# KiCad board master-circuit.kicad_pcb
title: Hex master motor control circuit; rev: version 0.1; company: Hex Robotics Limited; note: Author: Calin Mocanu
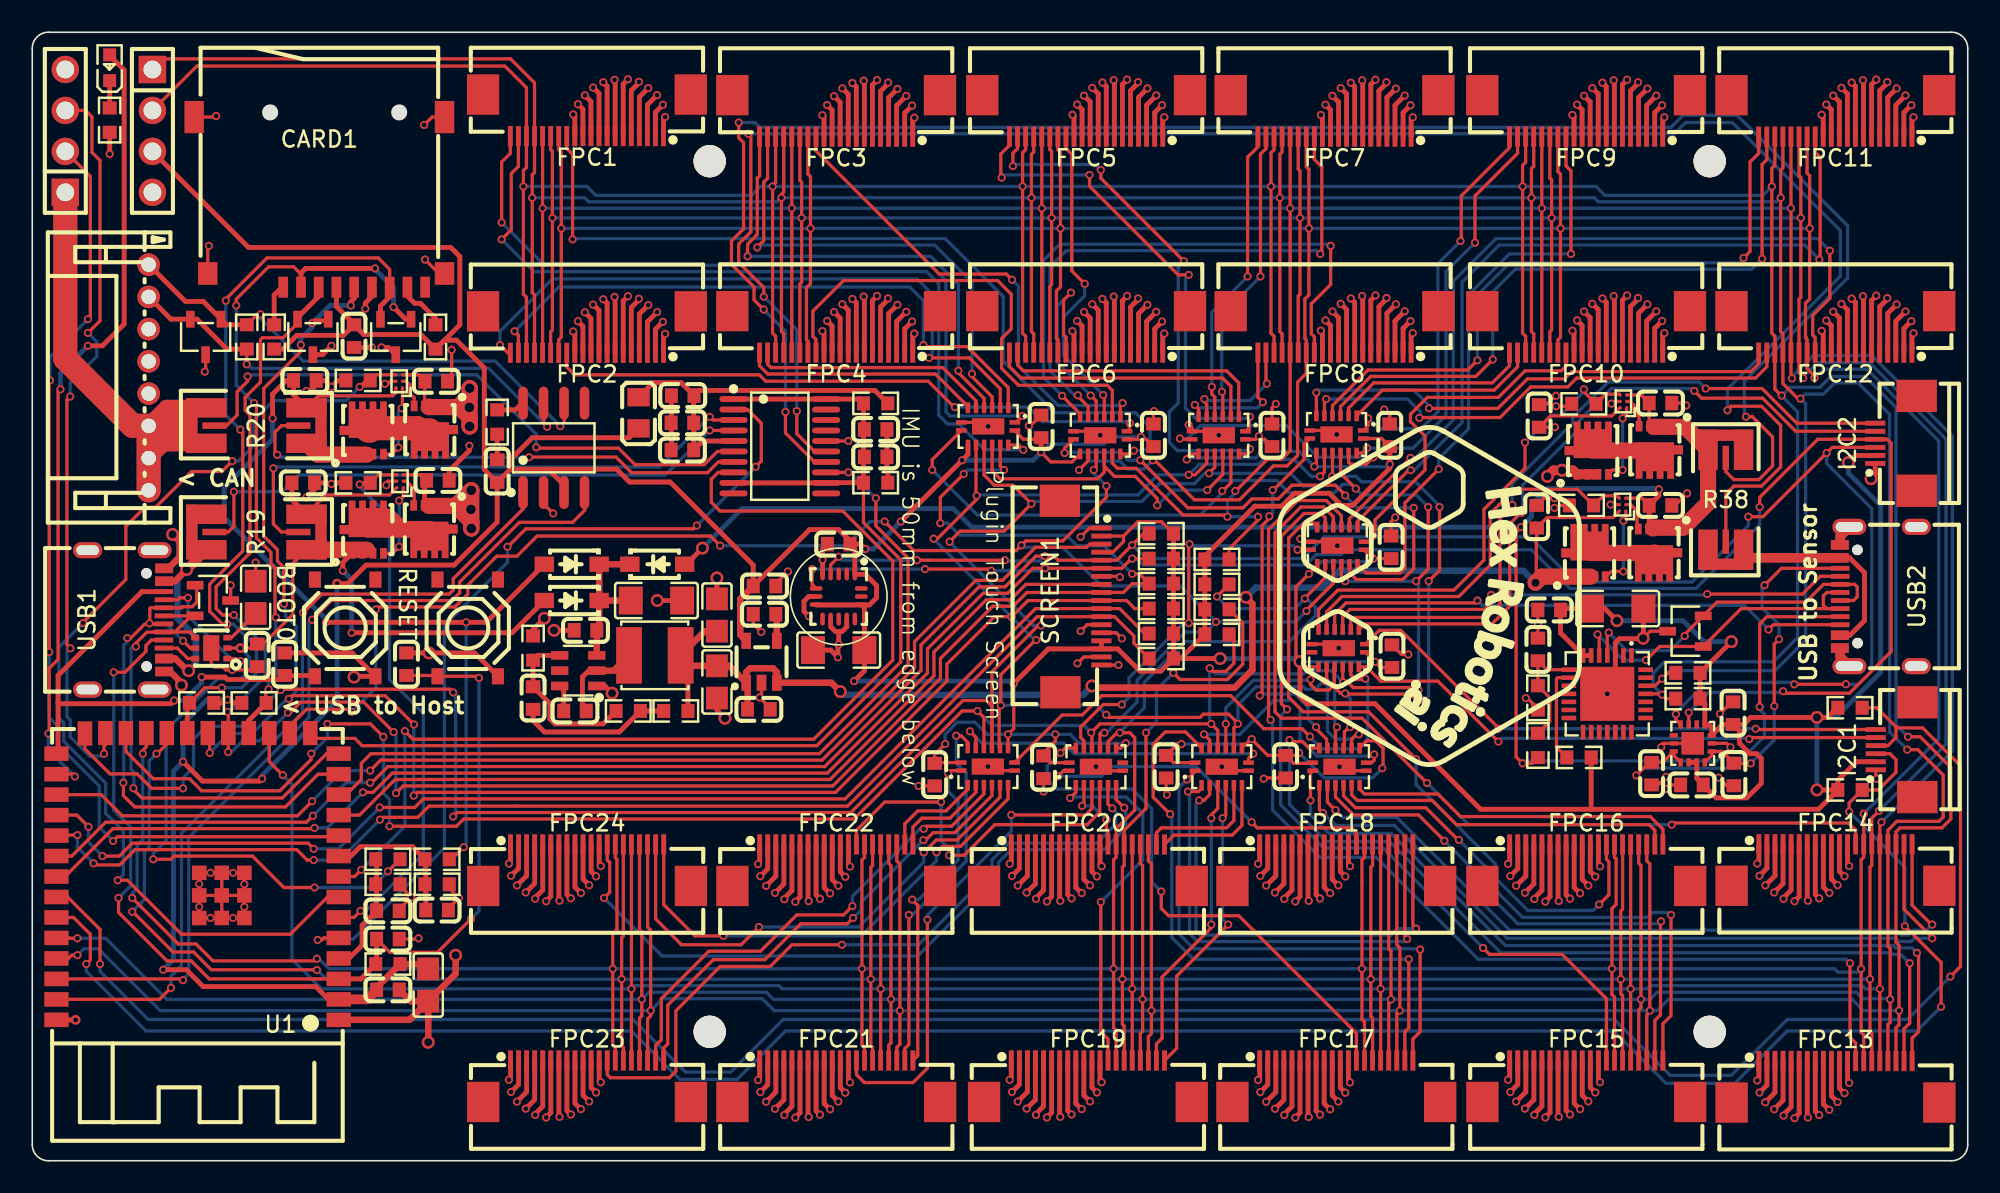
[diagram p0: board, top side]
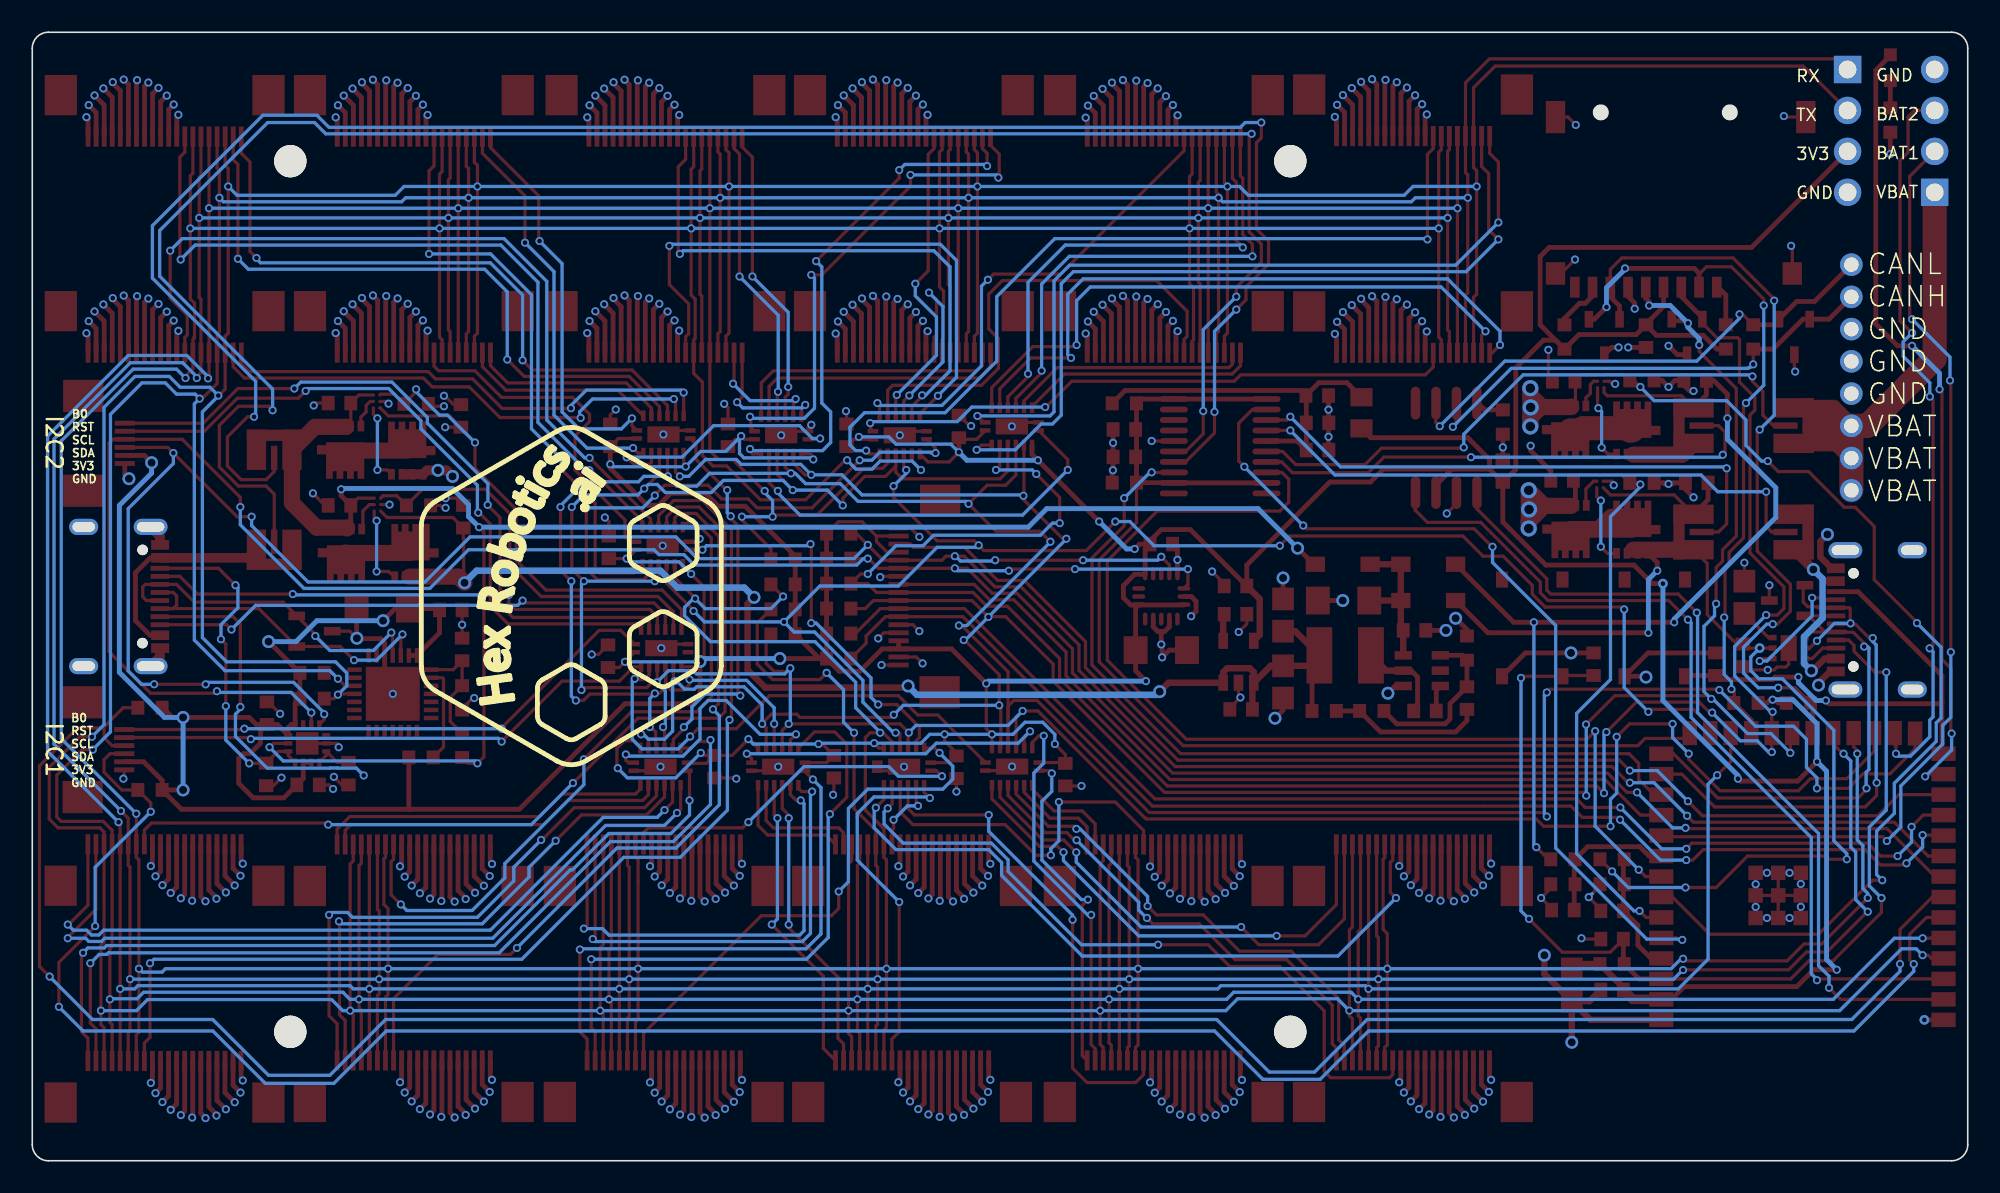
[diagram p1: board, bottom side, seen from below]

Outline 120 x 70 mm; copper layers: Top, In1.Cu, In2.Cu, Bottom. Coordinates in mm from the lower left corner of the outline.
Outline path: 0,69 arc(0.29,69.71) 1,70 119,70 arc(119.71,69.71) 120,69 120,1 arc(119.71,0.29) 119,0 1,0 arc(0.29,0.29) 0,1 0,69
Stack: Top 0.07mm / dielectric 0.1mm FR4 er 4.5 / In1.Cu 0.035mm / dielectric 1.24mm FR4 er 4.5 / In2.Cu 0.035mm / dielectric 0.1mm FR4 er 4.5 / Bottom 0.07mm

## Placement (name value [footprint] x y rotation side)
C1  1uF  [C0603]  22.05 13.75 180 top
C2  100nF  [C0603]  22.05 10.6 180 top
C3  22uF  [C0805]  24.55 10.9 90 top
C4  100nF  [C0603]  15.65 30.8 270 top
C5  100nF  [C0603]  23.2 30.8 270 top
C6  100pF  [C0603]  31.05 28.7 270 top
C7  100nF  [C0603]  33.65 27.9 0 top
C8  1uF  [C0603]  45.4 35.65 180 top
C9  10nF  [C0603]  45.4 33.9 0 top
C10  1nF  [C0603]  22.05 15.5 180 top
C11  1nF  [C0603]  25.1 15.55 180 top
C12  1uF  [C0603]  40.31 45.77 0 top
C13  100nF  [C0603]  40.31 44.08 0 top
C14  100nF  [C0603]  19.95 51.15 90 top
C15  100nF  [C0603]  84.3 31.3 270 top
C16  100nF  [C0603]  94.05 34.17 0 top
C17  10uF  [C1206]  98.3 34.25 180 top
C18  1uF  [C0603]  93.35 31.72 90 top
C19  1uF  [C0603]  13.95 31.35 90 top
C20  1uF  [C0603]  45.05 28 180 top
C21  10uF  [C1206]  38.7 34.75 180 top
C22  100nF  [C0603]  34.3 32.9 0 top
C23  22uF  [C0805]  42.45 33.85 270 top
C24  22uF  [C0805]  42.45 29.7 90 top
C25  100nF  [C0603]  105.45 27.76 270 top
C26  100nF  [C0603]  102.9 23.31 0 top
C27  330pF  [C0603]  100.4 24.01 90 top
C28  330pF  [C0603]  105.5 23.96 90 top
C29  1uF  [C0603]  25.15 42.2 180 top
C30  100nF  [C0603]  28.83 42.78 270 top
C31  100nF  [C0603]  50 38.25 0 top
C32  10uF  [C1206]  50 31.68 0 top
C33  100nF  [C0603]  40.33 47.46 0 top
C34  100nF  [C0603]  52.29 45.36 180 top
C35  1uF  [C0603]  52.29 43.66 180 top
C36  1uF  [C0603]  25.05 48.35 180 top
C37  1uF  [C0603]  16.9 48.4 180 top
C38  1uF  [C0603]  100.95 47 180 top
C39  1uF  [C0603]  93.43 46.2 270 top
C40  100nF  [C0603]  69.51 45 270 top
C41  100nF  [C0603]  62.55 45.55 270 top
C42  100nF  [C0603]  76.86 45 270 top
C43  100nF  [C0603]  84.25 38.05 270 top
C44  100nF  [C0603]  84.16 45 270 top
C45  100nF  [C0603]  77.71 24.44 90 top
C46  100nF  [C0603]  62.7 24.41 90 top
C47  100nF  [C0603]  70.3 24.44 90 top
C48  100nF  [C0603]  55.95 23.95 90 top
C49  1uF  [C0603]  16.8 42.05 180 top
C50  1uF  [C0603]  100.95 40.65 180 top
C51  1uF  [C0603]  93.28 39.95 270 top
CARD1  ~  [TF-SMD_TF-01A]  17.8 59.46 180 top
D1  ~  [SOD-123_L2.7-W1.6-LS3.7-RD-1]  33.45 34.75 180 top
D2  ~  [SOT-23-3_L3.0-W1.7-P0.95-LS2.9-BR]  11.2 34.75 0 top
D3  ~  [SOD-123_L2.7-W1.6-LS3.7-RD-1]  33.45 37 180 top
D4  ~  [SOT-23-3_L3.0-W1.7-P0.95-LS2.9-BR]  22.54 51.1 270 top
D6  ~  [SOT-23-3_L3.0-W1.7-P0.95-LS2.9-BR]  17.4 51.1 270 top
D7  ~  [SOT-23-3_L3.0-W1.7-P0.95-LS2.9-BR]  10.75 51.1 270 top
D8  ~  [SOT-23-3_L3.0-W1.7-P0.95-LS2.9-BR]  102.5 32.85 180 top
D9  ~  [SOD-123_L2.7-W1.6-LS3.7-RD-1]  38.75 37 0 top
FPC1  ~  [FPC-SMD_20P-P0.50_XUNPU_FPC-05F-20PH20]  34.39 64.85 180 top
FPC2  ~  [FPC-SMD_20P-P0.50_XUNPU_FPC-05F-20PH20]  34.39 51.4 180 top
FPC3  ~  [FPC-SMD_20P-P0.50_XUNPU_FPC-05F-20PH20]  49.84 64.81 180 top
FPC4  ~  [FPC-SMD_20P-P0.50_XUNPU_FPC-05F-20PH20]  49.84 51.41 180 top
FPC5  ~  [FPC-SMD_20P-P0.50_XUNPU_FPC-05F-20PH20]  65.34 64.81 180 top
FPC6  ~  [FPC-SMD_20P-P0.50_XUNPU_FPC-05F-20PH20]  65.34 51.41 180 top
FPC7  ~  [FPC-SMD_20P-P0.50_XUNPU_FPC-05F-20PH20]  80.74 64.81 180 top
FPC8  ~  [FPC-SMD_20P-P0.50_XUNPU_FPC-05F-20PH20]  80.74 51.41 180 top
FPC9  ~  [FPC-SMD_20P-P0.50_XUNPU_FPC-05F-20PH20]  96.34 64.81 180 top
FPC10  ~  [FPC-SMD_20P-P0.50_XUNPU_FPC-05F-20PH20]  96.34 51.41 180 top
FPC11  ~  [FPC-SMD_20P-P0.50_XUNPU_FPC-05F-20PH20]  111.79 64.81 180 top
FPC12  ~  [FPC-SMD_20P-P0.50_XUNPU_FPC-05F-20PH20]  111.79 51.41 180 top
FPC13  ~  [FPC-SMD_20P-P0.50_XUNPU_FPC-05F-20PH20]  111.8 4.9 0 top
FPC14  ~  [FPC-SMD_20P-P0.50_XUNPU_FPC-05F-20PH20]  111.8 18.35 0 top
FPC15  ~  [FPC-SMD_20P-P0.50_XUNPU_FPC-05F-20PH20]  96.35 4.93 0 top
FPC16  ~  [FPC-SMD_20P-P0.50_XUNPU_FPC-05F-20PH20]  96.35 18.33 0 top
FPC17  ~  [FPC-SMD_20P-P0.50_XUNPU_FPC-05F-20PH20]  80.85 4.93 0 top
FPC18  ~  [FPC-SMD_20P-P0.50_XUNPU_FPC-05F-20PH20]  80.85 18.33 0 top
FPC19  ~  [FPC-SMD_20P-P0.50_XUNPU_FPC-05F-20PH20]  65.45 4.93 0 top
FPC20  ~  [FPC-SMD_20P-P0.50_XUNPU_FPC-05F-20PH20]  65.45 18.33 0 top
FPC21  ~  [FPC-SMD_20P-P0.50_XUNPU_FPC-05F-20PH20]  49.85 4.93 0 top
FPC22  ~  [FPC-SMD_20P-P0.50_XUNPU_FPC-05F-20PH20]  49.85 18.33 0 top
FPC23  ~  [FPC-SMD_20P-P0.50_XUNPU_FPC-05F-20PH20]  34.4 4.93 0 top
FPC24  ~  [FPC-SMD_20P-P0.50_XUNPU_FPC-05F-20PH20]  34.4 18.33 0 top
H1  ~  [HDR-TH_4P-P2.54-V-M]  7.45 63.88 270 top  (not fitted)
H2  ~  [HDR-TH_4P-P2.54-V-M]  2.05 63.88 90 top  (not fitted)
I2C1  ~  [FPC-SMD_6P-P0.50_XUNPU_FPC-05F-6PH20]  115.59 25.5 90 top
I2C2  ~  [FPC-SMD_6P-P0.50_XUNPU_FPC-05F-6PH20]  115.55 44.5 90 top
L1  15uH  [IND-SMD_L4.0-W4.0]  38.6 31.35 0 top
L2  10uH  [L0805]  37.59 46.39 90 top
LED1  ~  [LED0603-RD]  4.8 67.8 90 top
Q1  ~  [WDFN-5_L3.1-W3.1-P0.65-BL_1]  24.65 46.08 180 top
Q2  ~  [WDFN-5_L3.1-W3.1-P0.65-BL_1]  20.8 44.56 0 top
Q3  ~  [WDFN-5_L3.1-W3.1-P0.65-BL_1]  100.6 44.83 180 top
Q4  ~  [WDFN-5_L3.1-W3.1-P0.65-BL_1]  96.75 43.31 0 top
Q5  ~  [WDFN-5_L3.1-W3.1-P0.65-BL_1]  24.63 39.91 180 top
Q6  ~  [WDFN-5_L3.1-W3.1-P0.65-BL_1]  20.8 38.42 0 top
Q7  ~  [WDFN-5_L3.1-W3.1-P0.65-BL_1]  100.55 38.45 180 top
Q8  ~  [WDFN-5_L3.1-W3.1-P0.65-BL_1]  96.55 36.97 0 top
R1  10kΩ  [R0603]  22.05 12.2 0 top
R2  100kΩ  [R0603]  22.05 18.7 0 top
R3  10kΩ  [R0603]  22.05 17.15 180 top
R4  100kΩ  [R0603]  25.1 18.7 0 top
R5  100kΩ  [R0603]  36.95 27.9 0 top
R6  13kΩ  [R0603]  31.05 31.8 270 top
R7  10kΩ  [R0603]  25.1 17.15 180 top
R8  10kΩ  [R0603]  70 35.8 0 top
R9  10kΩ  [R0603]  13.75 28.4 180 top
R10  49.9Ω  [R0603]  39.9 27.9 0 top
R11  10kΩ  [R0603]  15 51.1 270 top
R12  10kΩ  [R0603]  25 51.1 270 top
R13  10kΩ  [R0603]  73.45 37.3 180 top
R14  10kΩ  [R0603]  70 34.25 0 top
R15  10kΩ  [R0603]  10.5 28.4 0 top
R16  120Ω  [R0603]  13.3 51.1 270 top
R17  10kΩ  [R0603]  70 38.9 0 top
R18  10kΩ  [R0603]  70 37.35 0 top
R19  5mΩ  [R2512 Shunt with Kelvin connections]  13.9 39 180 top
R20  5mΩ  [R2512 Shunt with Kelvin connections]  13.9 45.6 180 top
R21  10kΩ  [R0603]  52.29 46.98 0 top
R22  10kΩ  [R0603]  52.29 42.06 180 top
R23  1.5kΩ  [R0603]  4.8 64.55 270 top
R24  10kΩ  [R0603]  112.7 28.1 180 top
R25  10kΩ  [R0603]  112.7 23 180 top
R26  10kΩ  [R0603]  70 31.15 0 top
R27  10kΩ  [R0603]  70 32.7 0 top
R28  10kΩ  [R0603]  73.45 34.2 180 top
R29  10kΩ  [R0603]  73.45 35.75 180 top
R30  10kΩ  [R0603]  73.45 32.65 180 top
R31  10kΩ  [R0603]  28.83 45.82 90 top
R32  10kΩ  [R0603]  102.65 30.26 0 top
R33  10kΩ  [R0603]  102.65 28.66 0 top
R34  10kΩ  [R0603]  20.2 48.4 0 top
R35  10kΩ  [R0603]  96.2 46.95 0 top
R36  10kΩ  [R0603]  20.2 42.05 0 top
R37  10kΩ  [R0603]  96.05 40.65 0 top
R38  5mΩ  [R2512 Shunt with Kelvin connections]  105 41 270 top
R39  1.5kΩ  [R0603]  95.9 25.02 180 top
R40  20kΩ  [R0603]  93.35 25.76 90 top
R41  47kΩ  [R0603]  93.35 28.71 270 top
REF**  -  [NPTH 2mm hole 3mm clearence]  42 62 0 top  (not fitted)
REF**#2  -  [NPTH 2mm hole 3mm clearence]  104 8 0 top  (not fitted)
REF**#3  -  [NPTH 2mm hole 3mm clearence]  104 62 0 top  (not fitted)
REF**#4  -  [NPTH 2mm hole 3mm clearence]  42 8 0 top  (not fitted)
SCREEN1  ~  [FPC-SMD_18P-P0.50_FPC-05F-18PH20]  65 35 270 top
SW1  ~  [SW-SMD_4P-L5.1-W5.1-P3.70-LS6.5-TL_H1.5]  19.4 33.05 90 top
SW2  ~  [SW-SMD_4P-L5.1-W5.1-P3.70-LS6.5-TL_H1.5]  27 33.05 90 top
U1  ~  [WIRELM-SMD_ESP32-S3-WROOM-1]  10.25 17.64 180 top
U2  ~  [WLCSP-6_L1.2-W0.8-P0.40-TL]  22.75 48.35 180 top
U3  ~  [SOT-23-5_L3.0-W1.6-P0.95-LS2.8-BL]  45.21 30.95 180 top
U4  ~  [SOT-23-6_L2.9-W1.6-P0.95-LS2.8-BL]  33.85 30.4 270 top
U5  ~  [TDFN-6_L2.0-W2.0-P0.65-TL-EP]  11.1 31.8 180 top
U6  20nF 5%  [C0805]  13.85 34.95 270 top
U7  ~  [WLCSP-6_L1.2-W0.8-P0.40-TL]  98.65 47.1 180 top
U8  ~  [DHVQFN-16_L3.5-W2.5-P0.50-BL-EP]  81 31.79 180 top
U9  ~  [QFN-14_L2.5-W2.5-P0.50-TL-EP1.4]  102.95 25.89 90 top
U10  ~  [QFN-28_L5.0-W5.0-P0.50-TL-EP3.3]  97.65 28.96 180 top
U11  ~  [TSSOP-20_L6.5-W4.4-P0.65-LS6.4-BL]  46.35 44.32 0 top
U12  ~  [WLCSP-6_L1.2-W0.8-P0.40-TL]  22.8 42.15 180 top
U13  ~  [WLCSP-6_L1.2-W0.8-P0.40-TL]  98.6 40.7 180 top
U17  ~  [SOIC-8_L4.9-W3.9-P1.27-LS6.0-BL]  32.34 44.22 90 top
U18  ~  [LGA-16_L3.0-W3.0-P0.50-TL]  50 35 270 top
U19  ~  [CONN-TH_S8B-PH-K-S-LF-SN]  7.22 48.59 90 top  (not fitted)
U21  ~  [DHVQFN-16_L3.5-W2.5-P0.50-BL-EP]  66.21 45 180 top
U22  ~  [DHVQFN-16_L3.5-W2.5-P0.50-BL-EP]  59.26 45.55 180 top
U23  ~  [DHVQFN-16_L3.5-W2.5-P0.50-BL-EP]  73.56 45 180 top
U24  ~  [DHVQFN-16_L3.5-W2.5-P0.50-BL-EP]  80.91 38.15 180 top
U25  ~  [DHVQFN-16_L3.5-W2.5-P0.50-BL-EP]  80.86 45.05 180 top
U26  ~  [DHVQFN-16_L3.5-W2.5-P0.50-BL-EP]  81.05 24.44 0 top
U27  ~  [DHVQFN-16_L3.5-W2.5-P0.50-BL-EP]  65.95 24.44 0 top
U28  ~  [DHVQFN-16_L3.5-W2.5-P0.50-BL-EP]  73.75 24.44 0 top
U29  ~  [DHVQFN-16_L3.5-W2.5-P0.50-BL-EP]  59.25 24.45 0 top
USB1  ~  [USB-C-SMD_TYPE-C16PIN]  5.8 33.55 270 top
USB2  ~  [USB-C-SMD_TYPE-C16PIN]  114.45 35 90 top

## Library data of the parts
C1 C8 C12 C18-C20 C29 C35-C39 C49-C51 = -: Datasheet: https://item.szlcsc.com/datasheet/CL10A105KB8NNNC/16531.html; Description: Capacitance:1uF Tolerance:±10% Tolerance:±10% Voltage Rating:50V Temperature Coefficient:X5R; Manufacturer Part: CL10A105KB8NNNC; Manufacturer: SAMSUNG(三星); Supplier Part: C15849; Supplier: LCSC; LCSC Part Name: 1uF ±10% 50V; LCSC Part #: C15849
C2 C4 C5 C7 C13-C16 C22 C25 C26 C30 C31 C33 C34 C40-C48 = -: Datasheet: https://item.szlcsc.com/datasheet/CC0603KRX7R9BB104/15331.html; Description: Capacitance:100nF Tolerance:±10% Tolerance:±10% Voltage Rating:50V Temperature Coefficient:X7R; Manufacturer Part: CC0603KRX7R9BB104; Manufacturer: YAGEO(国巨); Supplier Part: C14663; Supplier: LCSC; LCSC Part Name: 100nF ±10% 50V; LCSC Part #: C14663
C3 C23 C24 = -: Datasheet: https://item.szlcsc.com/datasheet/CL21A226MAQNNNE/46786.html; Description: Capacitance:22uF Tolerance:±20% Tolerance:±20% Voltage Rating:25V Temperature Coefficient:X5R; Manufacturer Part: CL21A226MAQNNNE; Manufacturer: SAMSUNG(三星); Supplier Part: C45783; Supplier: LCSC; LCSC Part Name: 22uF ±20% 25V; LCSC Part #: C45783
C6 = -: Datasheet: https://item.szlcsc.com/datasheet/CL10C101JB8NNNC/15530.html; Description: Capacitance:100pF Tolerance:±5% Tolerance:±5% Voltage Rating:50V Temperature Coefficient:C0G; Manufacturer Part: CL10C101JB8NNNC; Manufacturer: SAMSUNG(三星); Supplier Part: C14858; Supplier: LCSC; LCSC Part Name: 100pF ±5% 50V; LCSC Part #: C14858
C9 = -: Datasheet: https://item.szlcsc.com/datasheet/0603B103K500NT/58143.html; Description: Capacitance:10nF Tolerance:±10% Tolerance:±10% Voltage Rating:50V Temperature Coefficient:X7R; Manufacturer Part: 0603B103K500NT; Manufacturer: FH(风华); Supplier Part: C57112; Supplier: LCSC; LCSC Part Name: 10nF ±10% 50V; LCSC Part #: C57112
C10 C11 = -: Datasheet: https://item.szlcsc.com/datasheet/CL10B102KB8NNNC/1940.html; Description: Capacitance:1nF Tolerance:±10% Tolerance:±10% Voltage Rating:50V Temperature Coefficient:X7R; Manufacturer Part: CL10B102KB8NNNC; Manufacturer: SAMSUNG(三星); Supplier Part: C1588; Supplier: LCSC; LCSC Part Name: 1nF ±10% 50V; LCSC Part #: C1588
C17 C21 C32 = -: Datasheet: https://item.szlcsc.com/datasheet/CL31A106KBHNNNE/14236.html; Description: Capacitance:10uF Tolerance:±10% Tolerance:±10% Voltage Rating:50V Temperature Coefficient:X5R; Manufacturer Part: CL31A106KBHNNNE; Manufacturer: SAMSUNG(三星); Supplier Part: C13585; Supplier: LCSC; LCSC Part Name: 10uF ±10% 50V; LCSC Part #: C13585
C27 C28 = -: Datasheet: https://item.szlcsc.com/datasheet/CL10C331JB8NNNC/2016.html; Description: Capacitance:330pF Tolerance:±5% Tolerance:±5% Voltage Rating:50V Temperature Coefficient:C0G; Manufacturer Part: CL10C331JB8NNNC; Manufacturer: SAMSUNG(三星); Supplier Part: C1664; Supplier: LCSC; LCSC Part Name: 330pF ±5% 50V; LCSC Part #: C1664
CARD1 = -: Datasheet: https://item.szlcsc.com/datasheet/TF-01A/92334.html; Description: Card Connection Mode:Push-Push Card Type:MicroSD Card (TF Card) Connector Type:Connector and Ejector Additional Card Detection Pins:- Supplementary Features:With Locating Post Height Above Board:1.85mm Operating Temperature:- Operating Temperature:-; Manufacturer Part: TF-01A; Manufacturer: 韩国韩荣; Supplier Part: C91145; Supplier: LCSC; LCSC Part Name: 自弹式 MicroSD卡(TF卡) 卡座; LCSC Part #: C91145
D1 D3 D9 = -: Datasheet: https://item.szlcsc.com/datasheet/B5819W%2520SL/9093.html; Description: Voltage - Forward(Vf@If):600mV@1A Voltage - DC Reverse(Vr):40V Current - Rectified:1A Non-Repetitive Peak Forward Surge Current:9A; Manufacturer Part: B5819W SL; Manufacturer: CJ(江苏长电/长晶); Supplier Part: C8598; Supplier: LCSC; LCSC Part Name: 电压:40V 电流:1A; LCSC Part #: C8598
D2 D4 D6-D8 = -: Datasheet: https://item.szlcsc.com/datasheet/PSM712-LF-T7/33642.html; Description: Polarity:Unidirectional Reverse Stand-Off Voltage (Vrwm):12V Clamping Voltage:19V Peak Pulse Current (Ipp):34A@8/20us；30A@8/20us Peak Pulse Power Dissipation (Ppp):600W@8/20us Voltage - Breakdown:13.3V Reverse Leakage Current (Ir):1uA；20uA Operating Tempe; Manufacturer Part: PSM712-LF-T7; Manufacturer: PROTEK; Supplier Part: C32677; Supplier: LCSC; LCSC Part Name: 单向TVS 12V截止 峰值浪涌电流：34A@8/20us 30A@8/20us; LCSC Part #: C32677
FPC1-FPC24 = -: Datasheet: https://item.szlcsc.com/datasheet/FPC-05F-20PH20/3056901.html; Description: Locking Feature:Hinged Lid Contact Type:Surface Mount Number of Contacts:20P Pitch:0.5mm Mounting Type:Bottom Contact FFC, FCB Thickness:0.3mm FFC, FCB Thickness:0.3mm Height Above Board:2mm Contact Material:Phosphor Bronze Contact Plating:Tin Operating T; Manufacturer Part: FPC-05F-20PH20; Manufacturer: XUNPU(讯普); Supplier Part: C2856803; Supplier: LCSC; LCSC Part Name: 翻盖式 卧贴 P数:20P 间距:0.5mm; LCSC Part #: C2856803
H1 H2 = -: Datasheet: https://item.szlcsc.com/datasheet/PZ254V-11-04P/2801085.html; Description: Pin Structure:1x4P Pitch:2.54mm Row Spacing:- Circluar Pins/Square Pins:Pin Header Mounting Type:Through Hole Number of Rows:1 Number of Pins:4P Current Rating:3A Voltage Rating (Max):250V Length of Mating Pin:6mm Insulation Height:2.5mm Length of End Con; Manufacturer Part: PZ254V-11-04P; Manufacturer: XFCN(兴飞); Supplier Part: C2691448; Supplier: LCSC; LCSC Part Name: 1x4P 间距:2.54mm 方针 直插; LCSC Part #: C2691448
I2C1 I2C2 = -: Datasheet: https://item.szlcsc.com/datasheet/FPC-05F-6PH20/3056894.html; Description: Locking Feature:Hinged Lid Contact Type:Surface Mount Number of Contacts:6P Pitch:0.5mm Mounting Type:Bottom Contact FFC, FCB Thickness:0.3mm FFC, FCB Thickness:0.3mm Height Above Board:2mm Contact Material:Phosphor Bronze Contact Plating:Tin Operating Te; Manufacturer Part: FPC-05F-6PH20; Manufacturer: XUNPU(讯普); Supplier Part: C2856796; Supplier: LCSC; LCSC Part Name: 翻盖式 卧贴 P数:6P 间距:0.5mm; LCSC Part #: C2856796
L1 = -: Datasheet: https://atta.szlcsc.com/upload/public/pdf/source/20200609/C601990_BCEA243EC4DA0A9A288AA78A6DFB48A5.pdf; Description: Inductance:15uH Tolerance:±20% Tolerance:±20% Current Rating:1.2A Current - Saturation(Isat):2.8A DC Resistance(DCR):305mΩ Type:Winding Inductor; Manufacturer Part: FHD4020S-150MT; Manufacturer: cjiang(长江微电); Supplier Part: C602033; Supplier: LCSC; LCSC Part Name: 15uH ±20% 2.8A; LCSC Part #: C602033
L2 = -: Datasheet: https://atta.szlcsc.com/upload/public/pdf/source/20231027/097A17DDB71564CE812E62F0F80142C9.pdf; Description: Inductance: Tolerance:±10% Tolerance:±10% Rated Current: Current - Saturation (Isat):- DC Resistance(DCR): Q @ Frequency:- Frequency - Self Resonant:- Ratings:; Manufacturer Part: SDFL2012S100KTF; Manufacturer: Sunlord(顺络); Supplier Part: C1046; Supplier: LCSC; LCSC Part Name: 10uH ±10%; LCSC Part #: C1046
LED1 = -: Datasheet: https://atta.szlcsc.com/upload/public/pdf/source/20160616/1466072038404.pdf; Description: Emitted Color:Red Power Dissipation:- Forward Current:- Dominant Wavelength:- Dominant Wavelength:- Peak Wavelength:- Diode Configuration:- Lens Color:- Color Temperature:- Color Temperature:- Viewing Angle:- Mounting Sytle:- Operating Temperature:-40°C~+8; Manufacturer Part: KT-0603R; Manufacturer: KENTO; Supplier Part: C2286; Supplier: LCSC; LCSC Part Name: 0603 红灯 高亮; LCSC Part #: C2286
Q1-Q8 = -: Datasheet: https://item.szlcsc.com/datasheet/40N06D/8649553.html; Description: Number:1 N-Channel Drain to Source Voltage:60V Current - Continuous Drain(Id):40A RDS(on):12mΩ Gate Threshold Voltage (Vgs(th)):2.5V; Origin: Anchor; Manufacturer Part: 40N06D; Manufacturer: HL(富海微); Supplier Part: C7543836; Supplier: LCSC; LCSC Part Name: 1个N沟道 耐压:60V 电流:40A; LCSC Part #: C7543836
R1 R3 R7-R9 R11-R15 R17 R18 R21 R22 R24-R37 = -: Datasheet: https://item.szlcsc.com/datasheet/0603WAF1002T5E/26547.html; Description: Type:Thick Film Resistor Resistance:10kΩ Tolerance:±1% Tolerance:±1% Power(Watts):100mW Voltage-Supply(Max):75V Temperature Coefficient:±100ppm/°C Temperature Coefficient:±100ppm/°C Operating Temperature:-55°C~+155°C Operating Temperature:-55°C~+155°C; Manufacturer Part: 0603WAF1002T5E; Manufacturer: UNI-ROYAL(厚声); Supplier Part: C25804; Supplier: LCSC; LCSC Part Name: 厚膜电阻 10kΩ ±1% 100mW; LCSC Part #: C25804
R2 R4 R5 = -: Datasheet: https://item.szlcsc.com/datasheet/0603WAF1003T5E/26546.html; Description: Type:Thick Film Resistor Resistance:100kΩ Tolerance:±1% Tolerance:±1% Power(Watts):100mW Voltage-Supply(Max):75V Temperature Coefficient:±100ppm/°C Temperature Coefficient:±100ppm/°C Operating Temperature:-55°C~+155°C Operating Temperature:-55°C~+155°C; Manufacturer Part: 0603WAF1003T5E; Manufacturer: UNI-ROYAL(厚声); Supplier Part: C25803; Supplier: LCSC; LCSC Part Name: 100kΩ ±1% 100mW 厚膜电阻; LCSC Part #: C25803
R6 = -: Datasheet: https://item.szlcsc.com/datasheet/0603WAF1302T5E/23524.html; Description: Type:Thick Film Resistor Resistance:13kΩ Tolerance:±1% Tolerance:±1% Power(Watts):100mW Voltage-Supply(Max):75V Temperature Coefficient:±100ppm/°C Temperature Coefficient:±100ppm/°C Operating Temperature:-55°C~+155°C Operating Temperature:-55°C~+155°C; Manufacturer Part: 0603WAF1302T5E; Manufacturer: UNI-ROYAL(厚声); Supplier Part: C22797; Supplier: LCSC; LCSC Part Name: 13kΩ ±1% 100mW 厚膜电阻; LCSC Part #: C22797
R10 = -: Datasheet: https://item.szlcsc.com/datasheet/0603WAF499JT5E/23912.html; Description: Type:Thick Film Resistor Resistance:49.9Ω Tolerance:±1% Tolerance:±1% Power(Watts):100mW Voltage-Supply(Max):75V Temperature Coefficient:±100ppm/°C Temperature Coefficient:±100ppm/°C Operating Temperature:-55°C~+155°C Operating Temperature:-55°C~+155°C; Manufacturer Part: 0603WAF499JT5E; Manufacturer: UNI-ROYAL(厚声); Supplier Part: C23185; Supplier: LCSC; LCSC Part Name: 49.9Ω ±1% 100mW 厚膜电阻; LCSC Part #: C23185
R16 = -: Datasheet: https://item.szlcsc.com/datasheet/0603WAF1200T5E/23514.html; Description: Type:Thick Film Resistor Resistance:120Ω Tolerance:±1% Tolerance:±1% Power(Watts):100mW Voltage-Supply(Max):75V Temperature Coefficient:±100ppm/°C Temperature Coefficient:±100ppm/°C Operating Temperature:-55°C~+155°C Operating Temperature:-55°C~+155°C; Manufacturer Part: 0603WAF1200T5E; Manufacturer: UNI-ROYAL(厚声); Supplier Part: C22787; Supplier: LCSC; LCSC Part Name: 120Ω ±1% 100mW 厚膜电阻; LCSC Part #: C22787
R19 R20 R38 = -: Datasheet: https://item.szlcsc.com/datasheet/RLP25FEGMR005/370313.html; Description: Type:Current Sense Resistor Resistance:5mΩ Tolerance:±1% Tolerance:±1% Voltage Rating:- Power(Watts):3W Current Rating:- Temperature Coefficient:±50ppm/°C Temperature Coefficient:±50ppm/°C Mounting Type:Surface Mount; Manufacturer Part: RLP25FEGMR005; Manufacturer: 大毅科技; Supplier Part: C393074; Supplier: LCSC; LCSC Part Name: 5mΩ ±1% 3W; LCSC Part #: C393074
R23 R39 = -: Datasheet: https://item.szlcsc.com/datasheet/0603WAF1501T5E/23570.html; Description: Type:Thick Film Resistor Resistance:1.5kΩ Tolerance:±1% Tolerance:±1% Power(Watts):100mW Voltage-Supply(Max):75V Temperature Coefficient:±100ppm/°C Temperature Coefficient:±100ppm/°C Operating Temperature:-55°C~+155°C Operating Temperature:-55°C~+155°C; Manufacturer Part: 0603WAF1501T5E; Manufacturer: UNI-ROYAL(厚声); Supplier Part: C22843; Supplier: LCSC; LCSC Part Name: 1.5kΩ ±1% 100mW 厚膜电阻; LCSC Part #: C22843
R40 = -: Datasheet: https://item.szlcsc.com/datasheet/0603WAF2002T5E/4591.html; Description: Type:Thick Film Resistor Resistance:20kΩ Tolerance:±1% Tolerance:±1% Power(Watts):100mW Voltage-Supply(Max):75V Temperature Coefficient:±100ppm/°C Temperature Coefficient:±100ppm/°C Operating Temperature:-55°C~+155°C Operating Temperature:-55°C~+155°C; Manufacturer Part: 0603WAF2002T5E; Manufacturer: UNI-ROYAL(厚声); Supplier Part: C4184; Supplier: LCSC; LCSC Part Name: 20kΩ ±1% 100mW 厚膜电阻; LCSC Part #: C4184
R41 = -: Datasheet: https://item.szlcsc.com/datasheet/0603WAF4702T5E/26562.html; Description: Type:Thick Film Resistor Resistance:47kΩ Tolerance:±1% Tolerance:±1% Power(Watts):100mW Voltage-Supply(Max):75V Temperature Coefficient:±100ppm/°C Temperature Coefficient:±100ppm/°C Operating Temperature:-55°C~+155°C Operating Temperature:-55°C~+155°C; Manufacturer Part: 0603WAF4702T5E; Manufacturer: UNI-ROYAL(厚声); Supplier Part: C25819; Supplier: LCSC; LCSC Part Name: 47kΩ ±1% 100mW 厚膜电阻; LCSC Part #: C25819
SCREEN1 = -: Datasheet: https://item.szlcsc.com/datasheet/FPC-05F-18PH20/3056900.html; Description: Locking Feature:Hinged Lid Contact Type:Surface Mount Number of Contacts:18P Pitch:0.5mm Mounting Type:Bottom Contact FFC, FCB Thickness:0.3mm FFC, FCB Thickness:0.3mm Height Above Board:2mm Contact Material:Phosphor Bronze Contact Plating:Tin Operating T; Manufacturer Part: FPC-05F-18PH20; Manufacturer: XUNPU(讯普); Supplier Part: C2856802; Supplier: LCSC; LCSC Part Name: 翻盖式 卧贴 P数:18P 间距:0.5mm; LCSC Part #: C2856802
SW1 SW2 = -: Datasheet: https://item.szlcsc.com/datasheet/TS-1187A-B-A-B/299976.html; Description: Circuit:SPST Actuator Style:Round Button Operating Force:1.6N Mounting Type:Surface Mount,Vertical Length:5.1mm Width:5.1mm Switch Height:1.5mm with Bracket:Without Bracket Contact Current:50mA Voltage Rating:12V Actuator/Cap Color:Gold With Lamp:No Life:; Manufacturer Part: TS-1187A-B-A-B; Manufacturer: XKB Connection(中国星坤); Supplier Part: C318884; Supplier: LCSC; LCSC Part Name: 5.1*5.1*1.5mm 立贴 轻触开关; LCSC Part #: C318884
U1 = -: Datasheet: https://item.szlcsc.com/datasheet/ESP32-S3-WROOM-1-N16R8/3198300.html; Manufacturer Part: ESP32-S3-WROOM-1-N16R8; Manufacturer: ESPRESSIF(乐鑫); Supplier Part: C2913202; Supplier: LCSC; LCSC Part Name: 通用型Wi-Fi+低功耗蓝牙MCU模组; LCSC Part #: C2913202